# Altium PCB MOTHER_BOARD_V1.0.PcbDoc (part 2 of 2)
Units mm, origin at the board's own origin, x right, y up, seen from the top; angles counter-clockwise.
Board outline 320 x 91 mm, 6 copper layers (Top Layer, Layer 2, Layer 3, Layer 4, Layer 5, Bottom Layer), stack 1.509 mm thick; 445 components, 446 nets, 2207 pads, 95 vias.
Unrouted connection lines stored in the file: 1411.
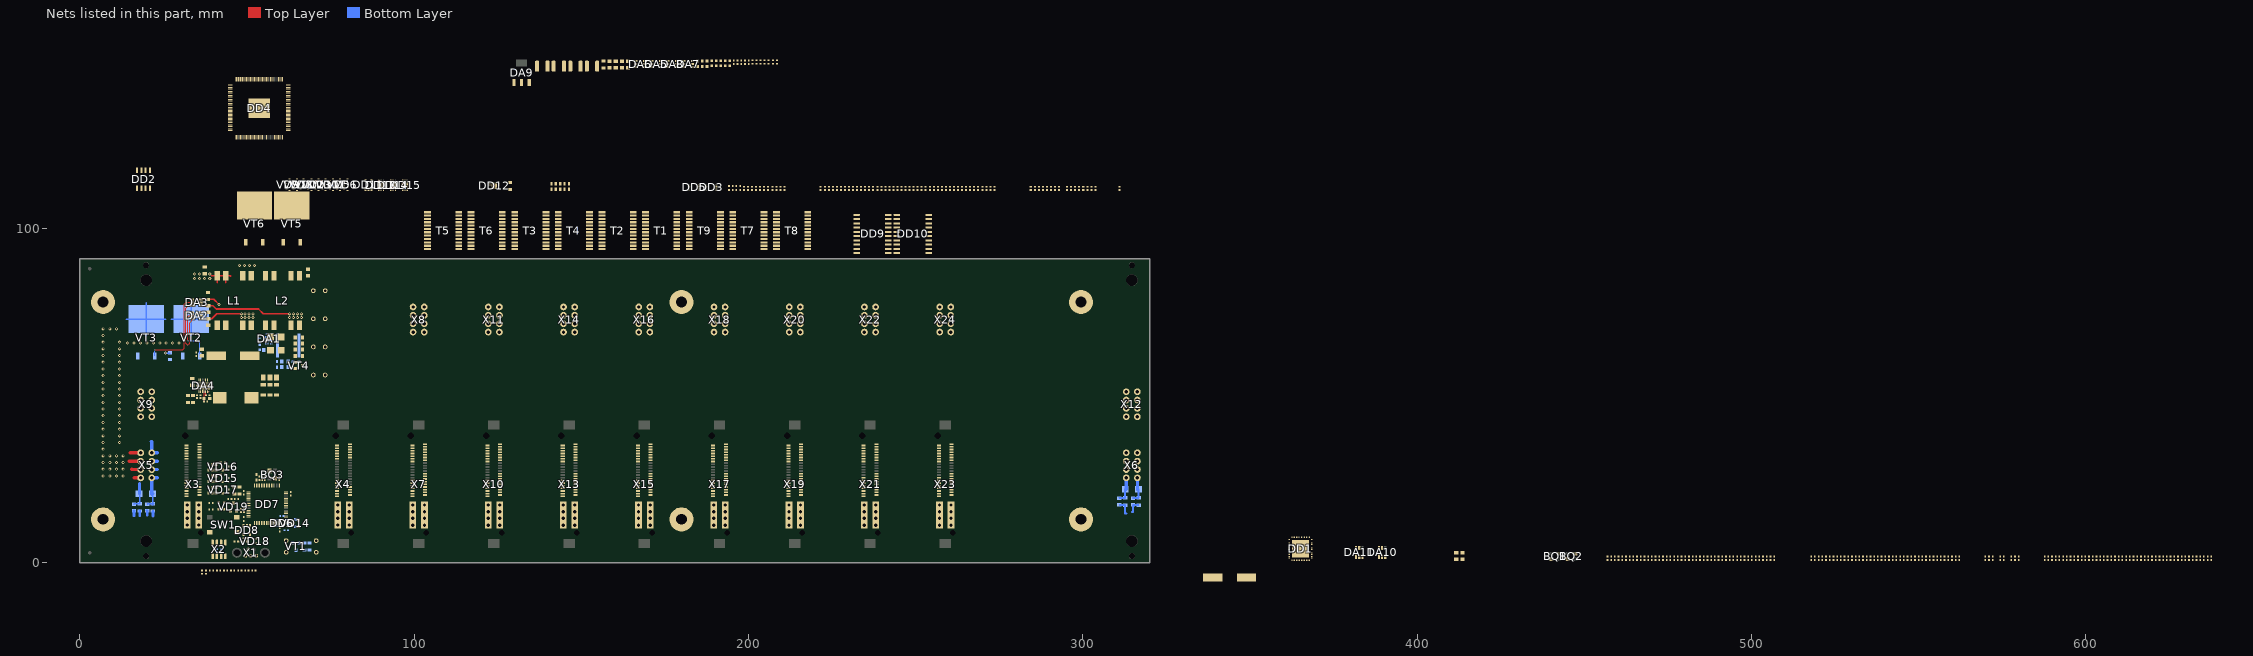
[diagram p6: the nets of this part, all layers, seen from the top]

## Part data
BQ1 BQ2: library part WE-XTAL_830072604, "Кварцевый резонатор WE-XTAL 830072604 25 МГц"
BQ3: library part WE-XTAL_830072604, "Кварцевый резонатор WE-XTAL 830108313809 CFPX-180 8 МГц Wurth Elektronik"
C1 C2 C3 C4: library part C0805, "Чип-конденсатор 100 пФ 500 В 0805", TYPE="Чип-конденсатор 0805"
C5: library part C0805, "Чип-конденсатор 1 мкФ 100 В 0805", TYPE="Чип-конденсатор 0805"
C6 C7 C8 C9 C20 C197 C198: library part C0805, "Чип-конденсатор 0,1 мкФ  100 В 0805", TYPE="Чип-конденсатор 0805"
C10: library part C0603, "Чип-конденсатор 68 нФ 50 В 0603", TYPE="Чип-конденсатор 0603"
C11 C12 C13 C15: library part C0805, "Чип-конденсатор 22 мкФ 25 В 0805", TYPE="Чип-конденсатор 0805"
C14 C199: library part WCAP-ASLL_865060762009, "Чип-конденсатор электролитический WCAP-ASLL 865060762009 220 мкФ 63 В Wurth Elektronik"
C16: library part C0402, "Чип-конденсатор 4,7 нФ 50 В 0402", TYPE="Чип-конденсатор 0402"
C17 C189: library part C0402, "Чип-конденсатор 2200 пФ 50 В 0402", TYPE="Чип-конденсатор 0402"
C18: library part C0402, "Чип-конденсатор 22 нФ 50 В 0402", TYPE="Чип-конденсатор 0402"
C19: library part C0402, "Чип-конденсатор 100 пФ 50 В 0402", TYPE="Чип-конденсатор 0402"
C21 C22 C23: library part C1206, "Чип-конденсатор 100 мкФ 6,3 В 1206", TYPE="Чип-конденсатор 1206"
C24 C25 C26 C27 C33: library part C0603, "Чип-конденсатор 10 мкФ 16 В 0603", TYPE="Чип-конденсатор 0603"
C28 C29 C30 C31 C32 C44 C45 C46 C47 C53 C54 C55 C56 C57 C58 C59 C60 C61 C62 C63 C64 C65 C66 C67 C68 C69 C70 C71 C72 C73 C74 C75 C76 C77 C78 C79 C82 C83 C84 C85 C86 C87 C88 C89 C90 C91 C92 C93 C94 C95 C96 C97 C98 C99 C100 C101 C102 C103 C104 C105 C106 C107 C108 C109 C110 C111 C112 C113 C114 C115 C116 C117 C118 C119 C120 C121 C122 C123 C124 C125 C126 C127 C128 C129 C130 C131 C132 C133 C134 C135 C136 C137 C138 C139 C140 C141 C142 C143 C144 C145 C146 C147 C148 C149 C150 C151 C152 C153 C154 C155 C156 C157 C158 C159 C160 C161 C162 C163 C164 C165 C166 C167 C168 C169 C170 C171 C172 C173 C174 C179 C182 C183 C185 C186 C187 C188 C190 C191 C192 C193 C194 C195 C196: library part C0402, "Чип-конденсатор 0,1 мкФ 16 В 0402", TYPE="Чип-конденсатор 0402"
C34 C35 C36 C37: library part C0805, "Чип-конденсатор 47 мкФ 6,3 В 0805", TYPE="Чип-конденсатор 0805"
C38 C39 C80 C81 C180 C181: library part C0402, "Чип-конденсатор 22 пФ 50 В 0402", TYPE="Чип-конденсатор 0402"
C40 C41 C42 C43 C48 C49 C50 C51 C52: library part C0402, "Чип-конденсатор 10 мкФ 6,3 В 0402", TYPE="Чип-конденсатор 0402"
C175: library part C0402, "Чип-конденсатор 1 мкФ 16В/25В 0402", TYPE="Чип-конденсатор 0402"
C176 C177 C178 C184: library part C0402, "Чип-конденсатор 0,47 мкФ 10 В 0402", TYPE="Чип-конденсатор 0402"
DA1: "DC/DC-контроллер LM5165YDRC"
DA2 DA3 DA10 DA11: "Мультиплексор питания LTC4412ES6", TYPE=LTC4412ES6
DA4: "Микросхема TPS54020RUW", Manufactory="Texas Instruments", Function="4.5V to 17V Input 10A Synchronous Step-Down SWIFT™ Converter"
DA5 DA6 DA7 DA8: library part TPS562209, "DC/DC-контроллер TPS562209DDC SOT-23-6"
DA9: "LDO-регулятор LD1117S12CTR SOT-223"
DD1: "Микросхема KSZ9031RNXIC", Manufactory="Microchip Technology", Function="Gigabit Ethernet Transceiver with GMII/MII Support with Low Power Features"
DD2: library part AT24C32E, "Память EEPROM I2C 32 Кбит AT24C32E-SSHM-T SOIC-8"
DD3 DD5: "Level-Translating FM+ I2C Bus Repeater TCA9617BDGKR"
DD4: "Микросхема 88E6390-xxTLA2I000", Manufactory="Marvell Technology", Function="11-Port AVB GE Switch, 8 GE PHYs + 1 RGMII/MII/RMII + 2 2.5G Serdes/SGMII"
DD6: "Приёмопередатчик RS-485 ADM3061EARMZ", TYPE="Чип-конденсатор 0402"
DD7: library part STM32F103RCT6, "Микроконтроллер STM32F103RBT6 LQFP64 STMicroelectronics"
DD8: "Память EEPROM I2C 64 Кбит 24AA64T-I/OT SOT-23-5"
DD9 DD10: "Octal Bus Transceiver With 3-State Outputs SN74LVC245ADWR"
DD11: "Микросхема SN74AHC1G09DBVR", Manufacture="Texas instruments", Function="Single 2–Input Positive-AND Gate With Open-Drain Output"
DD12 DD13 DD14 DD15: "LVDS Buffer DS25BR100TSD"
HL1 HL2: library part WL-SMCW_150060GS84000, "Светодиод SMD зелёный WL-SMCW 150060GS84000"
K1 K2 K3: "Точка соединения земель"
L1 L2: library part WE-UCF_744290130, "Линейный фильтр WE-UCF 744290130 Würth Elektronik", TYPE=WE-74279266
L3: library part WE-TPC_744062151, "Катушка индуктивности WE-TPC_744062151 WURTH ELEKTRONIK"
L4 L10 L11 L12 L13 L14 L15 L16 L17 L18 L19: library part WE-CBF_742792625, "Фильтр индуктивный WE-CBF 742792625 Wurth Elektronik", TYPE=WE-CBF_742792625
L5: library part WE-LHMI_74437368022, "Катушка индуктивности WE-LHMI 74437368022 2,2 мкГн 10 А"
L6 L7 L8 L9: library part "WE-LQSH 74405042022", "Катушка индуктивности WE-LQSH 74405042022 2,2 мкГн 2,6 А WURTH ELEKTRONIK"
R1: library part R0402, "Чип-резистор 100 кОм 5% 0402", TYPE="Чип-резистор 0402"
R2: library part R0603, "Чип-резистор 1 Ом 5% 0603", TYPE="Чип-резистор 0603"
R3 R4 R14 R15 R16 R17: library part R0805, "Чип-резистор 88,7 Ом 1% 0805", TYPE="Чип-резистор 0805"
R5 R11 R104: library part R0805, "Чип-резистор 5,11 кОм 1% 0805", TYPE="Чип-резистор 0805"
R6 R7: library part R0805, "Чип-резистор 470 кОм 5% 0805", TYPE="Чип-резистор 0805"
R8: library part R0402, "Чип-резистор 5,1 кОм 5% 0402", TYPE="Чип-резистор 0402"
R9: library part R0402, "Чип-резистор 100 Ом 5% 0402", TYPE="Чип-резистор 0402"
R10: library part R0805, "Чип-резистор 88,7 кОм 1% 0805", TYPE="Чип-резистор 0805"
R12: library part R0603, "Чип-резистор 11 кОм 1% 0603", TYPE="Чип-резистор 0603"
R13: library part R0402, "Чип-резистор 1,5 кОм 1% 0402", TYPE="Чип-резистор 0402"
R18: library part R0805, "Чип-резистор 510 Ом 1% 0805", TYPE="Чип-резистор 0805"
R19 R21 R22: library part R0402, "Чип-резистор 10 кОм 1% 0402", TYPE="Чип-резистор 0402"
R20: library part R0402, "Чип-резистор 330 Ом 5% 0402", TYPE="Чип-резистор 0402"
R23: library part R0603, "Чип-резистор 9,76 кОм 1% 0603", TYPE="Чип-резистор 0603"
R24: library part R0603, "Чип-резистор 162 Ом 1% 0603", TYPE="Чип-резистор 0603"
R25: library part R0402, "Чип-резистор 82,5 кОм 1% 0402", TYPE="Чип-резистор 0402"
R26: library part R0402, "Чип-резистор 36 кОм 1% 0402", TYPE="Чип-резистор 0402"
R27: library part R0603, "Чип-резистор 33,2 кОм 1% 0603", TYPE="Чип-резистор 0603"
R28: library part R0402, "Чип-резистор 4,02 кОм 1% 0402", TYPE="Чип-резистор 0402"
R29 R30 R31 R36 R81 R83: library part R0402, "Чип-резистор 1 кОм 5% 0402", TYPE="Чип-резистор 0402"
R32 R33 R34 R35 R65: library part R0402, "Чип-резистор 10 кОм 5% 0402", TYPE="Чип-резистор 0402"
R37: library part R0402, "Чип-резистор 12,1 кОм 1% 0402", TYPE="Чип-резистор 0402"
R38 R41 R49 R52 R54 R55 R56 R57 R66 R67 R68 R69 R71 R72 R76 R77 R78 R79 R80: library part R0402, "Чип-резистор 820 Ом 1% 0402", TYPE="Чип-резистор 0402"
R39 R40: library part R0402, "Чип-резистор 2 кОм 5% 0402", TYPE="Чип-резистор 0402"
R42 R43 R44 R45 R46 R47 R48 R50 R53 R82 R84 R85 R86 R87 R88 R89 R90 R91 R92 R93 R94 R95 R96 R97 R98 R99 R100 R101 R102 R103 R105 R106 R107 R108 R109 R110 R111 R112 R113 R114 R115 R116 R117 R118 R119 R120 R121 R122 R123 R124: library part R0402, "Чип-резистор 4,7 кОм 5% 0402", TYPE="Чип-резистор 0402"
R51: library part R0402, "Чип-резистор 4,99 кОм 1% 0402", TYPE="Чип-резистор 0402"
R58 R60 R62: library part R0603, "Чип-резистор 33 кОм 1% 0603", TYPE="Чип-резистор 0603"
R59 R61 R63: library part R0603, "Чип-резистор 10 кОм 1% 0603", TYPE="Чип-резистор 0603"
R64: library part R0805, "Чип-резистор 120 Ом 5% 0805", TYPE="Чип-резистор 0805"
R70 R73 R74 R75: library part R0402, "Чип-резистор 2,7 кОм 5% 0402", TYPE="Чип-резистор 0402"
RU1 RU2 RU3 RU4: library part WE-VS_82550140, "Варистор WE-VS 82550140 Wurth Elektronik"
SC1 SC2 SC3 SC4 SC5 SC6: library part WEC3R0105QG, "Суперконденсатор WEC3R0105QG 1 Ф 3,0 В VINATECH"
SW1: library part WS-TASV_430182050816, "Кнопка тактовая SMD 4x4 мм h=5 мм WS-TASV 430182050816"
T1 T2 T3 T4 T5 T6 T7 T8 T9: "Трансформатор Topaz TE-1x1G"
VD1 VD2: library part MBRA340T3G, "Диод MRA4007T3G SMA (DO-214AC)"
VD3 VD4: library part SMAJ18A, "Диод TVS SMAJ12A SMA (DO-214AC)"
VD5 VD6 VD7 VD8 VD9 VD10 VD11 VD12 VD13: "Диодная сброка ESD защиты WE-TVS 824014881 Wurth Elektronik"
VD14: library part WE-TVS_824021, "Диодная сборка TVS WE-TVS 824021 WURTH ELEKTRONIK"
VD15 VD16 VD17: "Диодная сборка BAV199W SOT-323", TYPE=BAV199W
VD18: library part WE-TVS_82400152, "Диодная сброка ESD защиты WE-TVS 82400152 WURTH ELEKTRONIK"
VD19: "Диодная сборка с общим анодом BAT54A SOT-23"
VT1 VT4: "Транзистор P-канал DMP3098L-7 SOT-23"
VT2 VT3 VT5 VT6: "Транзистор MOSFET P-Channel SUM110P06-07L-E3 TO-263 (D2PAK)"
X1: library part WR-COM_651005136421, "Разъём miniUSB вертикальный WR-COM 651005136421 Wurth Elektronik"
X2: library part WR-PHD_62330821021, "Разъём-гнездо 8 контаков (2х4) шаг 1,27 мм поверхн. монтаж WR-PHD 62330821021"
X3 X4 X7 X10 X13 X15 X17 X19 X21 X23: library part Amphenol_CE1204000110111, "Разъём Amphenol CE1204000110111"
X5 X6 X8 X9 X11 X12 X14 X16 X18 X20 X22 X24: "Разъём MOLEX 46112-0201"

## Free pads (board coordinates)
  round 1.8 hole 1.8 paste+0 mask+0: 0(19.9,2) 0(314.7,2) 0(314.7,89)
  round 3.5 / inner round 3.5 / far side round 6 hole 3.5 paste+0 mask-0.05: 0(19.9,6.5) 0(314.7,6.5) 0(314.7,84.5)
  round 3.5 / inner round 3.5 / far side round 6 hole 3.5 unplated paste+0 mask-0.05: 0(19.9,84.5)
  round 1.8 hole 1.8 unplated paste+0 mask+0: 0(19.9,89)
  round 7.2 hole 3.2 paste+0 mask-0.05: M3(7,13) M3(7,78) M3(180,13) M3(180,78) M3(299.5,13) M3(299.5,78)
  round 1 smd far side paste-1 mask+0.5: Репер(3,88) Репер(3,3)
  round 1 smd paste-1 mask+0.5: Репер(3,3) Репер(3,88)

## Via types
v1: diameter 0.9, hole 0.4, Top Layer to Bottom Layer, tented both sides, 91 vias
v2: diameter 0.4, hole 0.2, Top Layer to Bottom Layer, tented both sides, 4 vias

## Nets (pads, with @x,y where several pads share a name; then routed paths per layer and width w, separated by ;. In a path a pad name is that pad's centre, name@x,y a point inside that pad or via, vN(x,y) a via of type N, cw(c..) or ccw(c..) an arc to the next point about the centre after c; other vN are vias at no path point)
6390_INT: DD4.18 R47.2
+1V1: C37.1 C91.1 C96.1 C99.1 C102.1 C106.1 C108.1 DD4.4 DD4.16 DD4.36 DD4.84 DD4.92 DD4.108 L9.2 R28.2
+1V2: C33.2 DA9.2 L12.1 L13.1 L14.1 R18.2
+1V5: C36.1 C83.1 C85.1 C87.1 C90.1 C95.1 C98.1 C101.1 C105.1 DD4.32 DD4.37 DD4.72 DD4.75 DD4.82 DD4.105 DD4.109 DD4.144 L8.2 R23.2
+2V5: C35.1 C79.1 C82.1 C88.2 C92.2 C93.2 DD3.1 DD4.24 DD4.87 DD4.95 DD5.1 L7.2 L10.1 R25.2 R32.1 R33.1 R34.1 R35.1 R47.1 R49.2 R52.2 R54.2 R55.2 X7.27 X10.27 X13.27 X15.27 X17.27 X19.27 X21.27 X23.27
+3V3: C34.1 C77.1 C78.1 C84.1 C86.1 C89.1 C94.1 C97.1 C100.1 C103.2 C104.1 C107.1 C109.1 C110.1 C179.2 C190.2 C191.1 C192.1 C193.1 C194.2 C195.2 C196.2 DD2.8 DD3.8 DD4.7 DD4.14 DD4.42 DD4.51 DD4.60 DD4.69 DD4.114 DD4.123 DD4.132 DD4.141 DD5.8 DD6.8 DD9.1 DD9.20 DD10.1 DD10.20 DD11.5 DD12.4 DD12.8 DD13.4 DD13.8 DD14.4 DD14.8 DD15.4 DD15.8 L6.2 L11.1 R27.2 R38.2 R39.2 R40.2 R41.2 R48.1 R56.2 R57.2 R81.2 R82.2 R83.2 X7.28 X10.28 X13.28 X15.28 X17.28 X19.28 X21.28 X23.28
+3V3_BMC: C183.2 C185.2 C186.2 C187.2 C188.1 DA1.8 DD7.1 DD7.19 DD7.32 DD7.48 DD7.64 DD8.4 L3.2 L19.2 R2.1 R3.2 R4.2 R6.2 R7.2 R66.2 R67.1 R68.2 R69.2 R70.2 R71.2 R72.2 R73.2 R74.2 R75.2 R76.1 R77.1 R78.1 R79.1 R80.1 VT1.2 X2.7 X2.8
+5V0: C21.1 C22.1 C23.1 C24.2 C25.2 C26.2 C27.2 C28.1 DA5.3 DA5.5 DA6.3 DA6.5 DA7.3 DA7.5 DA8.3 DA8.5 DA9.3 L5.2 R12.2 R14.2 R15.2 R16.2 R17.2 VT4.2
+5V0_PG: DA4.5 DD7.17
+U_PoE: C199.1 DA10.6 DA11.6 VT5.3 VT6.3 X8.1 X8.3 X8.5 X8.7 X11.1 X11.3 X11.5 X11.7 X14.1 X14.3 X14.5 X14.7 X16.1 X16.3 X16.5 X16.7 X18.1 X18.3 X18.5 X18.7 X20.1 X20.3 X20.5 X20.7 X22.1 X22.3 X22.5 X22.7 X24.1 X24.3 X24.5 X24.7
+U_PoE1: C197.2 DA10.1 DA11.3 R104.1 VT5.4 X9.1 X9.3 X9.5 X9.7
+U_PoE2: C198.2 DA11.1 VT6.4 X12.1 X12.3 X12.5 X12.7
-U_PoE: C197.1 C198.1 C199.2 DA10.2 DA10.3 DA11.2 R104.2 X8.2 X8.4 X8.6 X8.8 X9.2 X9.4 X9.6 X9.8 X11.2 X11.4 X11.6 X11.8 X12.2 X12.4 X12.6 X12.8 X14.2 X14.4 X14.6 X14.8 X16.2 X16.4 X16.6 X16.8 X18.2 X18.4 X18.6 X18.8 X20.2 X20.4 X20.6 X20.8 X22.2 X22.4 X22.6 X22.8 X24.2 X24.4 X24.6 X24.8
AGND: C5.1 C8.1 C9.1 C10.1 C11.1 C12.1 C13.2 C14.2 C15.1 C16.1 C17.1 C18.1 C19.1 DA1.3@56.545,65.575 DA1.10 DA1.11 DA2.2 DA2.3 DA3.2 DA4.2 DA4.9 DA4.11 K1.1 K2.1 K3.1 L1.6 L1.7 L2.6 L2.7 L4.1 R1.1 R5.2 R8.2 R10.1 X3.P5 X3.P6 X3.P7 X3.P8 X4.P5 X4.P6 X4.P7 X4.P8 X7.P5 X7.P6 X7.P7 X7.P8 X10.P5 X10.P6 X10.P7 X10.P8 X13.P5 X13.P6 X13.P7 X13.P8 X15.P5 X15.P6 X15.P7 X15.P8 X17.P5 X17.P6 X17.P7 X17.P8 X19.P5 X19.P6 X19.P7 X19.P8 X21.P5 X21.P6 X21.P7 X21.P8 X23.P5 X23.P6 X23.P7 X23.P8 | length 1.6
  Bottom Layer w0.3: C13.2@27.025,62.75 C13.2@27.025,62.825
  Bottom Layer w0.4: v1@25.45,62.75 C13.2@27.025,62.75
  other v1: 25.7,62.75
BMC_ADC1: C176.2 DD7.15 R58.2 R59.2 VD15.3
BMC_ADC2: C177.2 DD7.14 R60.2 R61.2 VD16.3
BMC_ADC3: C178.2 DD7.16 R62.2 R63.2 VD17.3
BMC_LED1: DD7.24 HL2.1
BMC_LED2: DD7.25 HL1.1
BMC_SYS_PWR_ON: DD7.22 R9.2
BMC_USB_N: DD7.44 VD18.4
BMC_USB_P: DD7.45 VD18.6
BUF_P9_SGMII_RX_N: DD13.3 X4.39
BUF_P9_SGMII_RX_P: DD13.2 X4.37
BUF_P9_SGMII_TX_N: DD12.6 X4.33
BUF_P9_SGMII_TX_P: DD12.7 X4.31
BUF_P10_SGMII_RX_N: DD15.3 X4.40
BUF_P10_SGMII_RX_P: DD15.2 X4.38
BUF_P10_SGMII_TX_N: DD14.6 X4.34
BUF_P10_SGMII_TX_P: DD14.7 X4.32
CPU_MDC: DD7.33 X3.6
CPU_MDIO: DD7.34 R66.1 X3.8
CPU_PTP_SYNC: DD4.21 DD9.2 DD9.3 DD9.4 DD9.5 DD9.6 DD9.7 DD9.8 DD9.9 X3.10 X4.10
CPU_TXRX_A_N: T1.22 X3.38
CPU_TXRX_A_P: T1.23 X3.37
CPU_TXRX_B_N: T1.19 X3.40
CPU_TXRX_B_P: T1.20 X3.39
CPU_TXRX_C_N: T1.16 X3.32
CPU_TXRX_C_P: T1.17 X3.31
CPU_TXRX_D_N: T1.13 X3.34
CPU_TXRX_D_P: T1.14 X3.33
DBG_USB_N: VD18.3 X1.2
DBG_USB_P: VD18.1 X1.3
EE_DOUT: DD2.5 DD4.8 R40.1
GND: C21.2 C22.2 C23.2 C24.1 C25.1 C26.1 C27.1 C28.2 C33.1 C34.2 C35.2 C36.2 C37.2 C38.1 C39.1 C40.1 C41.1 C42.1 C43.1 C44.2 C45.2 C46.2 C47.2 C48.1 C49.1 C50.1 C51.1 C52.1 C53.2 C54.2 C55.2 C56.2 C57.2 C58.2 C59.2 C60.2 C61.2 C62.2 C63.2 C64.2 C65.2 C66.2 C67.2 C68.2 C69.2 C70.2 C71.2 C72.2 C73.1 C74.1 C75.1 C76.1 C77.2 C78.2 C79.2 C80.1 C81.1 C82.2 C83.2 C84.2 C85.2 C86.2 C87.2 C88.1 C89.2 C90.2 C91.2 C92.1 C93.1 C94.2 C95.2 C96.2 C97.2 C98.2 C99.2 C100.2 C101.2 C102.2 C103.1 C104.2 C105.2 C106.2 C107.2 C108.2 C109.2 C110.2 C111.1 C112.1 C113.1 C114.1 C115.1 C116.1 C117.1 C118.1 C119.1 C120.1 C121.1 C122.1 C123.1 C124.1 C125.1 C126.1 C127.2 C128.2 C129.2 C130.2 C131.2 C132.2 C133.2 C134.2 C135.2 C136.2 C137.2 C138.2 C139.2 C140.2 C141.2 C142.2 C143.2 C144.2 C145.2 C146.2 C147.2 C148.2 C149.2 C150.2 C151.2 C152.2 C153.2 C154.2 C155.2 C156.2 C157.2 C158.2 C159.1 C160.1 C161.1 C162.1 C163.1 C164.1 C165.1 C166.1 C167.1 C168.1 C169.1 C170.1 C171.1 C172.1 C173.1 C174.1 C175.2 C176.1 C177.1 C178.1 C179.1 C180.2 C181.2 C182.1 C183.1 C184.1 C185.1 C186.1 C187.1 C188.2 C189.1 C190.1 C191.2 C192.2 C193.2 C194.1 C195.1 C196.1 DA5.1 DA6.1 DA7.1 DA8.1 DA9.1 DD1.13 DD1.29 DD1.49 DD2.1 DD2.2 DD2.3 DD2.4 DD2.7 DD3.4 DD3.5 DD4.145 DD5.4 DD5.5 DD6.5 DD7.12 DD7.18 DD7.31 DD7.47 DD7.60 DD7.63 DD8.2 DD8.5 DD9.10 DD9.19 DD10.10 DD10.19 DD11.3 DD12.1 DD12.9 DD13.1 DD13.9 DD14.1 DD14.9 DD15.1 DD15.9 K1.2 K2.2 K3.2 R13.2 R18.1 R19.1 R22.1 R24.2 R26.2 R29.1 R30.1 R31.1 R36.1 R37.2 R42.2 R43.2 R44.2 R45.2 R46.2 R50.1 R51.1 R53.2 R59.1 R61.1 R63.1 R65.2 R84.1 R85.1 R86.1 R87.1 R88.1 R89.1 R90.1 R91.1 R92.1 R93.1 R94.1 R95.1 R96.1 R97.1 R98.1 R99.1 R100.1 R101.1 R102.1 R103.1 R105.1 R106.1 R107.1 R108.1 R109.1 R110.1 R111.1 R112.1 R113.1 R114.1 R115.1 R116.1 R117.1 R118.1 R119.1 R120.1 R121.1 R122.1 R123.1 R124.1 SC4.2 SC6.2 SW1.2 SW1.4 VD5.3 VD6.3 VD7.3 VD8.3 VD9.3 VD10.3 VD11.3 VD12.3 VD13.3 VD14.3 VD15.1 VD16.1 VD17.1 VD18.2 VT1.1 VT4.1 X1.5 X2.1 X2.3 X2.5 X3.1 X3.3 X3.5 X3.7 X3.29 X3.30 X3.35 X3.36 X4.1 X4.3 X4.5 X4.7 X4.29 X4.30 X4.35 X4.36 X7.1 X7.3 X7.5 X7.7 X7.29 X7.30 X7.35 X7.36 X10.1 X10.3 X10.5 X10.7 X10.29 X10.30 X10.35 X10.36 X13.1 X13.3 X13.5 X13.7 X13.29 X13.30 X13.35 X13.36 X15.1 X15.3 X15.5 X15.7 X15.29 X15.30 X15.35 X15.36 X17.1 X17.3 X17.5 X17.7 X17.29 X17.30 X17.35 X17.36 X19.1 X19.3 X19.5 X19.7 X19.29 X19.30 X19.35 X19.36 X21.1 X21.3 X21.5 X21.7 X21.16 X21.29 X21.30 X21.35 X21.36 X23.1 X23.3 X23.5 X23.7 X23.16 X23.29 X23.30 X23.35 X23.36
GND_BMC: L4.2 SC2.2
MCU_RESET: VD19.1 X2.2
MCU_SCL: DD7.29 DD8.1 R75.1
MCU_SDA: DD7.30 DD8.3 R74.1
MCU_SWC: DD7.49 R73.1 X2.4
MCU_SWD: DD7.46 R70.1 X2.6
NetBQ1_1: BQ1.1 C38.2 DD1.46
NetBQ1_3: BQ1.3 C39.2 DD1.45
NetBQ2_1: BQ2.1 C80.2 DD4.81
NetBQ2_3: BQ2.3 C81.2 DD4.80
NetBQ3_1: BQ3.1 C180.1 DD7.5
NetBQ3_3: BQ3.3 C181.1 DD7.6
NetC10_2: C10.2 DA1.4
NetC11_2: C11.2 C12.2 R2.2
NetC16_2: C16.2 R11.1
NetC17_2: C17.2 DA4.14 | length 1.1
  Top Layer w0.2: C17.2@37.675,50.25 37.825,50.1 C17.2@37.85,50.1 ; C17.2@37.675,50.35 DA4.14@37.675,51.2
NetC19_2: C19.2 DA4.12 R11.2
NetC20_1: C20.1 DA4.8 L5.1
NetC20_2: C20.2 DA4.6
NetC29_1: C29.1 DA5.2 L6.1
NetC29_2: C29.2 DA5.6
NetC30_1: C30.1 DA6.2 L7.1
NetC30_2: C30.2 DA6.6
NetC31_1: C31.1 DA7.2 L8.1
NetC31_2: C31.2 DA7.6
NetC32_1: C32.1 DA8.2 L9.1
NetC32_2: C32.2 DA8.6
NetC67_1: C67.1 T1.1
NetC68_1: C68.1 T1.4
NetC69_1: C69.1 T1.7
NetC70_1: C70.1 T1.10
NetC73_2: C73.2 T1.24
NetC74_2: C74.2 T1.21
NetC75_2: C75.2 T1.18
NetC76_2: C76.2 T1.15
NetC111_2: C111.2 T2.1
NetC112_2: C112.2 T2.4
NetC113_2: C113.2 T2.7
NetC114_2: C114.2 T2.10
NetC115_2: C115.2 T3.1
NetC116_2: C116.2 T3.4
NetC117_2: C117.2 T3.7
NetC118_2: C118.2 T3.10
NetC119_2: C119.2 T4.1
NetC120_2: C120.2 T4.4
NetC121_2: C121.2 T4.7
NetC122_2: C122.2 T4.10
NetC123_2: C123.2 T5.1
NetC124_2: C124.2 T5.4
NetC125_2: C125.2 T5.7
NetC126_2: C126.2 T5.10
NetC127_1: C127.1 T2.24
NetC128_1: C128.1 T2.21
NetC129_1: C129.1 T2.18
NetC130_1: C130.1 T2.15
NetC131_1: C131.1 T3.24
NetC132_1: C132.1 T3.21
NetC133_1: C133.1 T3.18
NetC134_1: C134.1 T3.15
NetC135_1: C135.1 T4.24
NetC136_1: C136.1 T4.21
NetC137_1: C137.1 T4.18
NetC138_1: C138.1 T4.15
NetC139_1: C139.1 T5.24
NetC140_1: C140.1 T5.21
NetC141_1: C141.1 T5.18
NetC142_1: C142.1 T5.15
NetC143_1: C143.1 T6.1
NetC144_1: C144.1 T6.4
NetC145_1: C145.1 T6.7
NetC146_1: C146.1 T6.10
NetC147_1: C147.1 T7.1
NetC148_1: C148.1 T7.4
NetC149_1: C149.1 T7.7
NetC150_1: C150.1 T7.10
NetC151_1: C151.1 T8.1
NetC152_1: C152.1 T8.4
NetC153_1: C153.1 T8.7
NetC154_1: C154.1 T8.10
NetC155_1: C155.1 T9.1
NetC156_1: C156.1 T9.4
NetC157_1: C157.1 T9.7
NetC158_1: C158.1 T9.10
NetC159_2: C159.2 T6.24
NetC160_2: C160.2 T6.21
NetC161_2: C161.2 T6.18
NetC162_2: C162.2 T6.15
NetC163_2: C163.2 T7.24
NetC164_2: C164.2 T7.21
NetC165_2: C165.2 T7.18
NetC166_2: C166.2 T7.15
NetC167_2: C167.2 T8.24
NetC168_2: C168.2 T8.21
NetC169_2: C169.2 T8.18
NetC170_2: C170.2 T8.15
NetC171_2: C171.2 T9.24
NetC172_2: C172.2 T9.21
NetC173_2: C173.2 T9.18
NetC174_2: C174.2 T9.15
NetC175_1: C175.1 L18.1 X1.1
NetC189_2: C189.2 DD11.2 R81.1
NetDA1_1: DA1.1@57.545,65.575 L3.1
NetDA1_5: DA1.5 R1.2
NetDA2_5: DA2.5 VT2.1 | length 16.5
  Top Layer w0.3: v2(32.309,66.409) 32.309,73.594 32.677,73.962 DA2.5@33.643,73.962
  Bottom Layer w0.3: v2(32.309,66.409) 35.341,66.409 35.903,65.847 VT2.1@35.903,61.892
NetDA3_5: DA3.5 VT3.1 | length 26.6
  Top Layer w0.3: v2(22.438,63.675) 30.775,63.675 31.3,64.2 31.3,77.325 31.854,77.879 DA3.5@33.643,77.879
  Bottom Layer w0.3: v2(22.438,63.675) 22.445,63.675 VT3.1@22.445,61.892
NetDA4_10: DA4.10 R10.2
NetDA4_13: DA4.13 R12.1 R13.1 | length 3
  Top Layer w0.2: R12.1@37.175,49.2 R12.1@37.188,49.188 ; DA4.13@37.175,51.2 37.188,51.188 R12.1@37.188,49.188 ; R13.1@37.2,48.2 37.188,48.213 R12.1@37.188,49.188 ; R12.1@37.2,49.175 R12.1@37.188,49.188
NetDA5_4: DA5.4 R22.2 R27.1
NetDA6_4: DA6.4 R25.1 R26.1
NetDA7_4: DA7.4 R21.2 R23.1
NetDA8_4: DA8.4 R19.2 R20.1
NetDA10_5: DA10.5 VT5.1
NetDA11_5: DA11.5 VT6.1
NetDD1_48: DD1.48 R37.1
NetDD2_6: DD2.6 DD4.9 R39.1
NetDD3_2: DD3.2 DD4.20 R49.1
NetDD3_3: DD3.3 DD4.19 R52.1
NetDD4_5: DD4.5 R48.2
NetDD4_10: DD4.10 R42.1
NetDD4_11: DD4.11 R43.1
NetDD4_12: DD4.12 R44.1
NetDD4_13: DD4.13 R45.1
NetDD4_15: DD4.15 R46.1
NetDD4_76: DD4.76 R51.2
NetDD4_102: DD4.102 R50.2
NetDD7_7: DD7.7 VD19.3
NetHL1_2: HL1.2 R71.1
NetHL2_2: HL2.2 R72.1
NetL15_2: L15.2 R58.1
NetL16_2: L16.2 R60.1
NetL17_2: L17.2 R62.1
NetL18_2: L18.2 VD18.5
NetR3_1: R3.1 R4.1 SC1.1 VT1.3
NetR14_1: R14.1 R15.1 R16.1 R17.1 SC3.1 SC5.1 VT4.3
NetR20_2: R20.2 R28.1
NetR21_1: R21.1 R24.1
NetSC1_2: SC1.2 SC2.1
NetSC3_2: SC3.2 SC4.1
NetSC5_2: SC5.2 SC6.1
NetSW1_3: SW1.3 VD19.2
P0_AVDDH: C41.2 C45.1 C49.2 C54.1 C59.1 C64.1 DD1.1 DD1.12 DD1.47 L11.2
P0_AVDDL: C42.2 C46.1 C52.2 C57.1 C62.1 DD1.4 DD1.9 L12.2
P0_AVDDL_PLL: C51.2 C56.1 C61.1 DD1.44 L13.2
P0_DVDDH: C40.2 C44.1 C50.2 C55.1 C60.1 C65.1 DD1.16 DD1.34 DD1.40 L10.2
P0_DVDDL: C43.2 C47.1 C48.2 C53.1 C58.1 C63.1 C66.1 C71.1 C72.1 DD1.14 DD1.18 DD1.23 DD1.26 DD1.30 DD1.39 L14.2
P0_LED1: DD1.17 R29.2
P0_LED2: DD1.15 R30.2
P0_RX_CLK: DD1.35 DD4.93 R31.2
P0_RX_DV: DD1.33 DD4.94 R36.2
P0_RXD0: DD1.32 DD4.96 R32.2